# Altium PCB yard-ice.PcbDoc (part 3 of 3)
Units mm, origin at the board's own origin, x right, y up, seen from the top; angles counter-clockwise.
Board outline 109.14 x 69.34 mm, 2 copper layers (Top Layer, Bottom Layer), stack 1.611 mm thick; 175 components, 162 nets, 702 pads, 445 vias.
Unrouted connection lines stored in the file: 1.
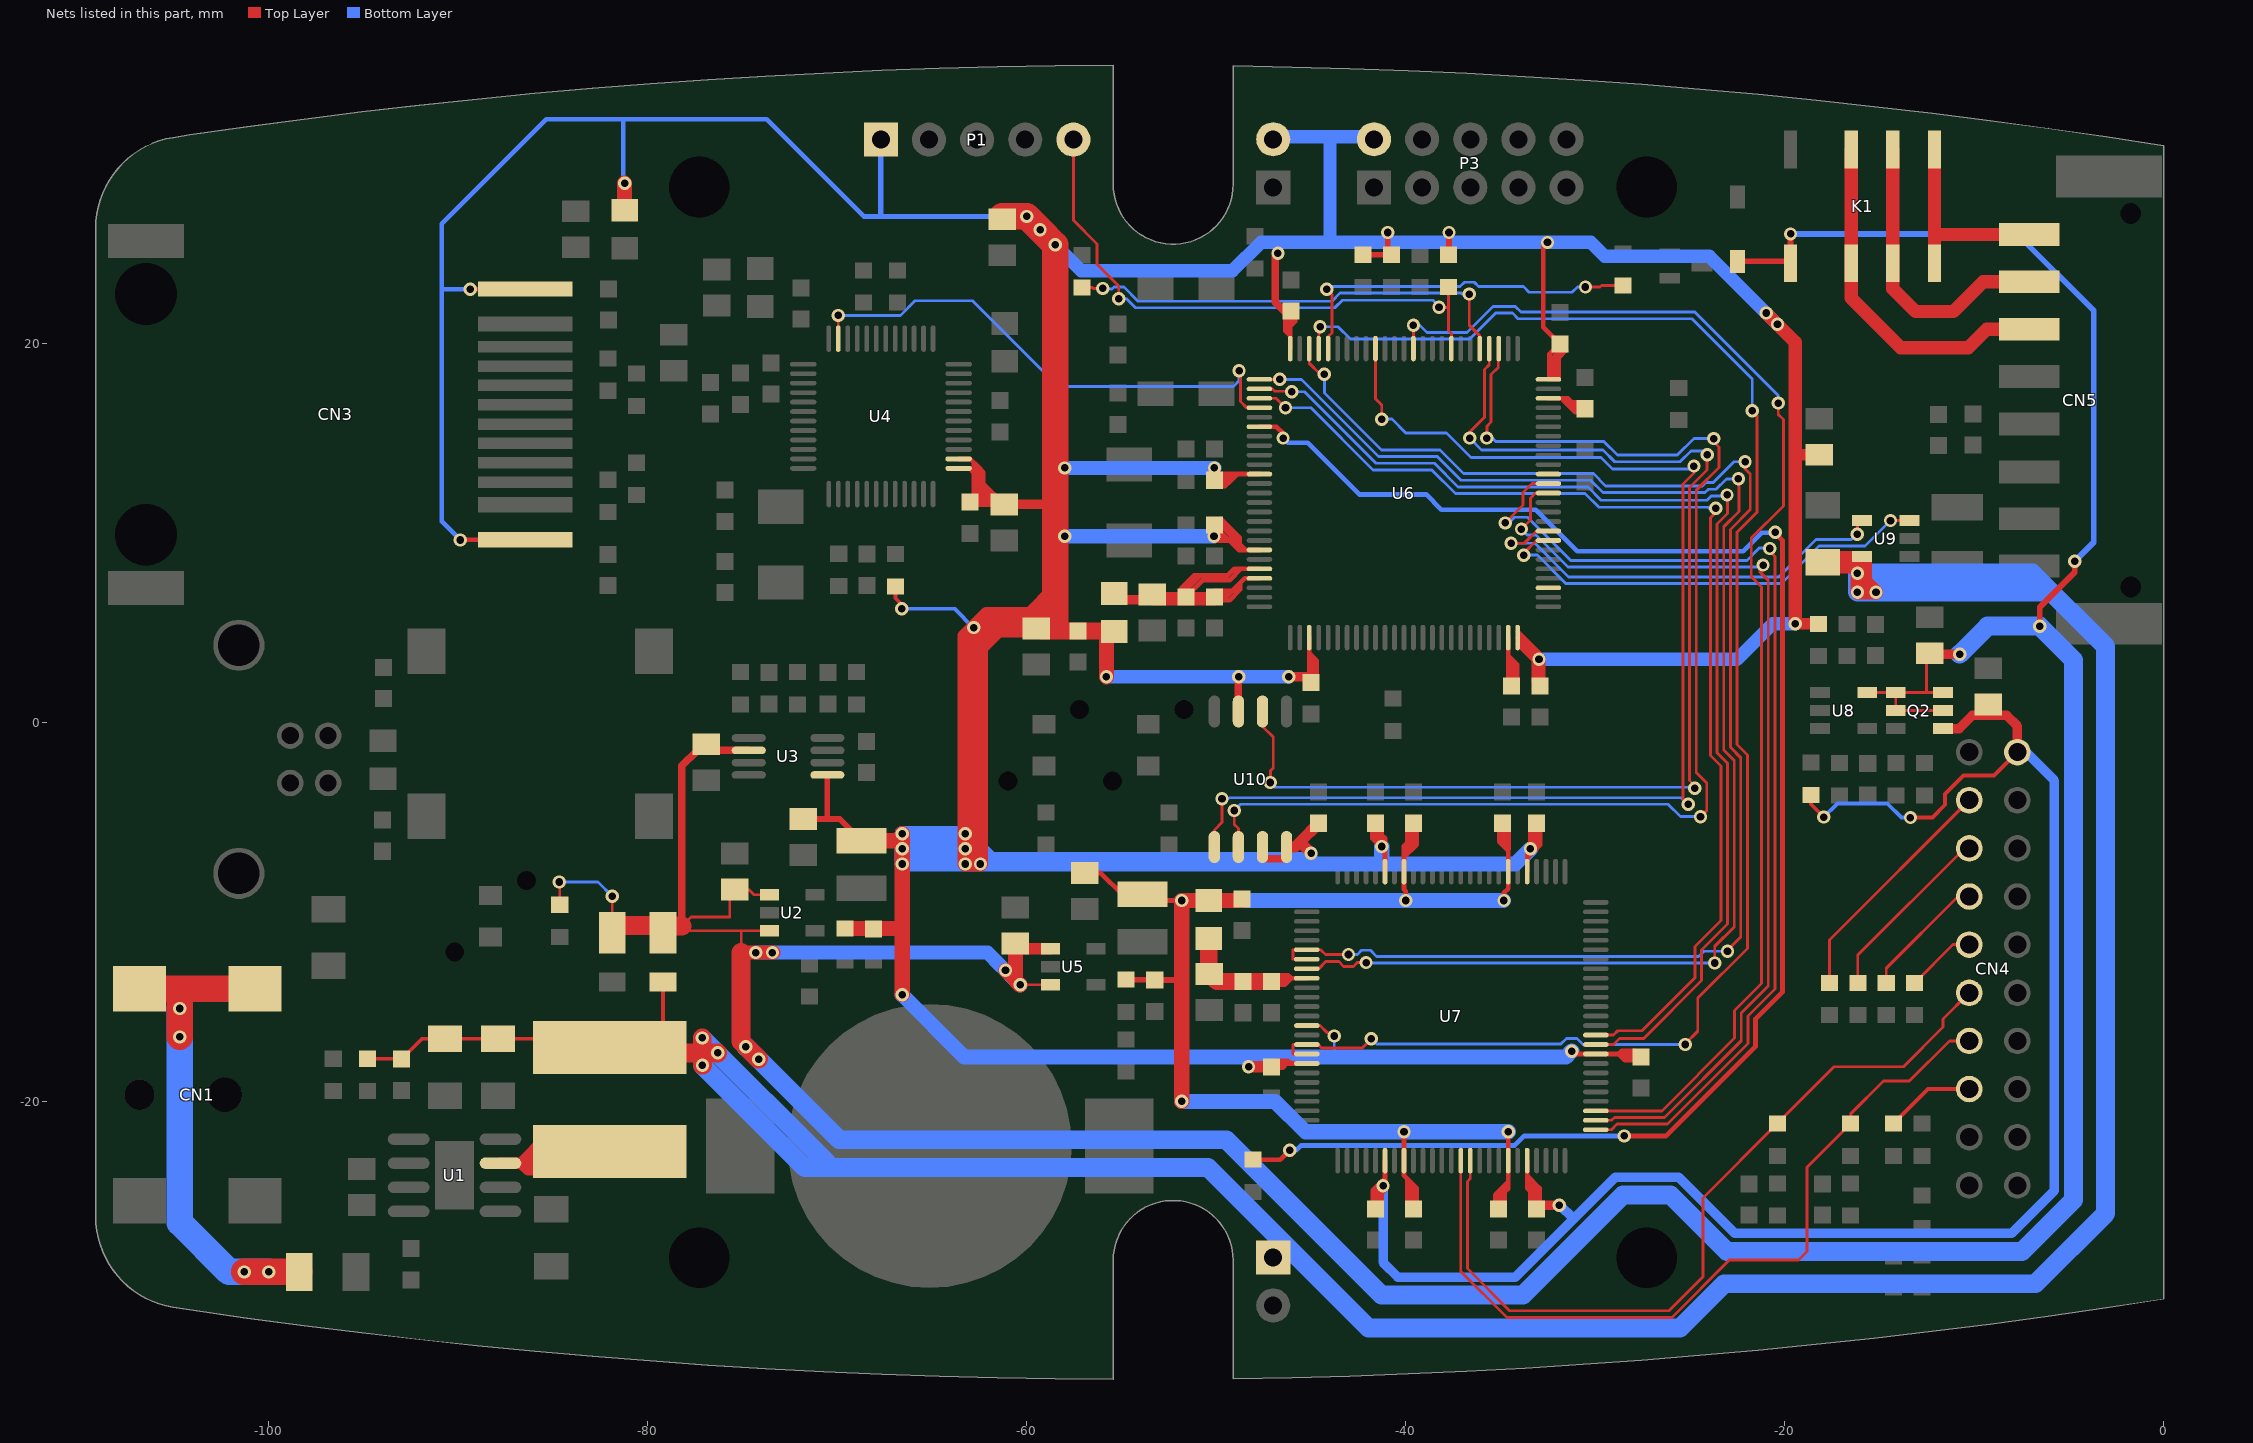
[diagram p3: the nets of this part, all layers, seen from the top]

## Via types
v1: diameter 0.7, hole 0.4, Top Layer to Bottom Layer, 444 vias
v2: diameter 1.8, hole 1.4, Top Layer to Bottom Layer, tented top, 1 vias

## Nets (pads, with @x,y where several pads share a name; then routed paths per layer and width w, separated by ;. In a path a pad name is that pad's centre, name@x,y a point inside that pad or via, vN(x,y) a via of type N, cw(c..) or ccw(c..) an arc to the next point about the centre after c; other vN are vias at no path point) (continued)
PD6: U6.87 U7.53 | length 67.6
  Top Layer w0.15: U6.87@-39.6,19.725 v1(-39.6,20.95) ; U7.53@-29.975,-20.5 -26.491,-20.5 -22.65,-16.659 -22.65,-15.2 -21.225,-13.775 -21.225,7.15 -21.775,7.7 -21.775,9.725 -20.075,11.425 -20.075,15.975 -20.35,16.25 v1(-20.35,16.85)
  Bottom Layer w0.15: v1(-39.6,20.95) -39.253,20.95 -38.878,20.575 -36.775,20.575 -35.4,21.95 -34.23,21.95 -33.93,21.65 -24.755,21.65 -20.35,17.245 v1(-20.35,16.85)
PD11: U6.58 U9.3 | length 24
  Top Layer w0.15: v1(-33.775,8.825) -33.775,8.925 -33.1,9.6 U6.58@-32.475,9.6 ; v1(-14.425,10.65) U9.3@-13.425,10.65
  Bottom Layer w0.15: v1(-33.775,8.825) -33.06,8.825 -31.56,7.325 -20.18,7.325 -18.205,9.3 -15.775,9.3 v1(-14.425,10.65)
PD12: U6.59 U9.4 | length 22.8
  Top Layer w0.15: v1(-34.449,9.45) -33.75,9.45 -33.1,10.1 U6.59@-32.475,10.1 ; v1(-16.175,9.925) U9.4@-16.175,10.575
  Bottom Layer w0.15: v1(-34.449,9.45) -33.19,9.45 -31.415,7.675 -20.325,7.675 -18.35,9.65 -16.475,9.65 v1@-16.175,9.95
PE0: U6.97 U7.16 U7.17 | length 86.1
  Top Layer w0.15: U7.17@-45.225,-17.5 -45.95,-17.5 -45.95,-17 U7.16@-45.225,-17 -44.625,-17 -44.45,-17.175 -42.3,-17.175 v1(-41.825,-16.7) ; U6.97@-44.6,19.725 -44.6,20.5 -44.525,20.575 v1(-44.525,20.875) ; v1(-25.25,-17) -25.25,-16.95 -24.6,-16.3 -24.6,-14.55 -21.975,-11.925 -21.975,-1.72 -22.525,-1.17 -22.525,10.036 -21.475,11.086 -21.475,13.395 -21.475,16.2 v1(-21.725,16.45)
  Bottom Layer w0.15: v1(-44.525,20.875) -43.575,20.875 -42.925,20.225 -36.63,20.225 -35.255,21.6 -34.375,21.6 -34.075,21.3 -24.9,21.3 -21.725,18.125 v1(-21.725,16.45) ; v1(-41.825,-16.7) -41.55,-16.975 -31.83,-16.975 -31.53,-16.675 -30.97,-16.675 -30.645,-17 v1(-25.25,-17)
PE1: U6.98 U7.6 U7.7 | length 78.6
  Top Layer w0.15: U7.7@-45.225,-12.5 -45.95,-12.5 -45.95,-12 U7.6@-45.225,-12 -44.5,-12 -44.249,-12.251 v1(-43.027,-12.251) ; U6.98@-45.1,19.725 -45.1,18.95 -44.525,18.375 v1(-44.3,18.375) ; v1@-23.038,-12.038 -22.325,-11.325 -22.325,-1.865 -22.875,-1.315 -22.875,7.244 -22.875,10.181 -21.825,11.231 -21.825,13.108 -22.1,13.383
  Bottom Layer w0.15: v1(-44.3,18.375) -44.3,17.385 -41.29,14.375 -38.2,14.375 -36.95,13.125 -30.106,13.125 -29.456,12.475 -28.235,12.475 -24.351,12.475 -24.176,12.65 -23.779,12.65 -22.678,13.751 v1(-22.101,13.751) ; v1(-43.027,-12.251) -42.559,-12.251 -42.334,-12.025 -41.866,-12.025 -41.541,-12.35 -24.557,-12.35 ; -24.55,-12.35 -24.275,-12.075 v1(-23.026,-12.076)
PE2: U6.1 U7.8 | length 76.5
  Top Layer w0.15: U6.1@-47.725,18.1 v1(-46.65,18.1) ; U7.8@-45.225,-13 -44.6,-13 -44.225,-12.625 -43.537,-12.625 -43.286,-12.876 -42.768,-12.876 -42.568,-12.675 v1(-42.1,-12.675) ; v1(-23.7,-12.7) -23.7,-11.816 -22.675,-10.791 -22.675,-2.01 -23.225,-1.46 -23.225,7.099 -23.225,10.326 -22.425,11.126 -22.425,12.825 v1(-22.451,12.851)
  Bottom Layer w0.15: v1(-46.65,18.1) -45.51,18.1 -41.435,14.025 -38.345,14.025 -37.095,12.775 -30.251,12.775 -29.601,12.125 -24.206,12.125 -24.031,12.3 -23.634,12.3 -23.083,12.851 v1(-22.451,12.851) ; v1(-42.1,-12.675) -41.961,-12.675 -41.936,-12.7 v1(-23.7,-12.7)
PE3: U6.2 U7.60 | length 60.9
  Top Layer w0.15: U6.2@-47.725,17.6 -47.034,17.6 -46.909,17.475 -46.05,17.475 v1(-46.025,17.45) ; U7.60@-29.975,-17 -29.05,-17 -28.725,-16.675 -27.45,-16.675 -24.4,-13.625 -24.4,-12.021 -23.025,-10.646 -23.025,-2.155 -23.575,-1.605 -23.575,6.954 -23.575,10.471 -23.025,11.021 -23.025,11.975 v1(-23.05,12)
  Bottom Layer w0.15: v1(-46.025,17.45) -45.355,17.45 -41.58,13.675 -38.49,13.675 -37.24,12.425 -30.396,12.425 -29.696,11.724 -24.111,11.724 -23.886,11.95 -23.1,11.95 v1(-23.05,12)
PE4: U6.3 U7.61 | length 58.7
  Top Layer w0.15: U6.3@-47.8,17.1 U6.3@-47.725,17.1 -46.85,17.1 v1(-46.35,16.6) ; U7.61@-29.975,-16.5 -29.045,-16.5 -28.82,-16.275 -27.545,-16.275 -24.75,-13.48 -24.75,-11.825 -23.375,-10.45 -23.375,-2.3 -23.925,-1.75 -23.925,6.809 -23.925,10.8 -23.65,11.075 v1(-23.65,11.3)
  Bottom Layer w0.15: v1(-46.35,16.6) -45,16.6 -41.725,13.325 -38.635,13.325 -37.385,12.075 -30.541,12.075 -29.816,11.35 -24.05,11.35 -24,11.3 v1(-23.65,11.3)
PE5: U4.47 U6.4 | length 28
  Top Layer w0.15: U4.47@-69.95,20.25 v1(-69.95,21.475) ; v1(-48.802,18.551) -48.727,18.476 -48.727,16.927 -48.4,16.6 U6.4@-47.725,16.6
  Bottom Layer w0.15: v1(-69.95,21.475) -66.675,21.475 -65.899,22.251 -62.87,22.251 -58.344,17.725 -49.1,17.725 -48.8,18.025 v1@-48.8,18.55
RLY_C: CN5.7 K1.3 K1.6 | length 15.7
  Top Layer w0.7: K1.6@-14.3,30.225 K1.3@-14.3,24.225 -14.3,22.875 -14.296,22.879 -13.092,21.675 -11.108,21.675 -9.533,23.25 CN5.7@-7.1,23.25
RLY_NC: CN5.6 K1.2 K1.7 | length 18.7
  Top Layer w0.7: K1.7@-16.5,30.225 K1.2@-16.5,24.225 -16.5,22.388 -13.887,19.775 -10.321,19.775 -9.346,20.75 CN5.6@-7.1,20.75
RLY_NO: CN5.8 K1.4 K1.5 | length 12
  Top Layer w0.6: K1.4@-12.1,24.225 -12.1,25.75
  Top Layer w0.7: K1.4@-12.1,24.225 K1.5@-12.1,30.225 ; -12.1,25.75 CN5.8@-7.6,25.75
RST: CN4.15 R41.1 | length 4.8
  Top Layer w0.2: R41.1@-14.275,-21.175 -12.45,-19.35 CN4.15@-10.27,-19.35
RTCK: CN4.11 R33.1 U7.40 | length 42.8
  Top Layer w0.15: U7.40@-36.6,-23.125 -36.6,-24.075 -36.75,-24.225 -36.75,-28.825 -34.526,-31.049 -26.121,-31.049 -24.325,-29.253 -24.325,-25.1 R33.1@-20.4,-21.175 -17.4,-18.175 -13.745,-18.175 -11.65,-16.08 -11.65,-15.77 -11.65,-15.65 CN4.11@-10.27,-14.27
SPI2_MISO: U6.53
SPI2_NSS: R29.2 U6.96 | length 19.5
  Top Layer w0.15: v1(-44.175,22.85) -43.9,22.575 -43.9,20.55 -44.1,20.35 U6.96@-44.1,19.725 ; v1(-30.525,22.975) -29.75,22.975 -29.675,23.05 R29.2@-28.55,23.05
  Bottom Layer w0.15: v1(-44.175,22.85) -44.025,23 -37.137,23 -36.911,23.226 -36.393,23.226 -36.167,23 -35.8,23 -33.795,23 -33.495,22.7 -31.225,22.7 -30.95,22.975 v1(-30.525,22.975)
SPI3_MISO: U6.79 U10.2 | length 63.1
  Top Layer w0.15: U10.2@-47.565,0.575 -47.565,-0.21 -47,-0.775 -47,-2.4 -47.15,-2.55 v1(-47.15,-3.175) ; v1(-36.625,15) -36.625,15.325 -35.85,16.1 -35.85,18.625 -35.6,18.875 U6.79@-35.6,19.725 ; v1@-24.75,-3.45 -24.75,-3.35 -25.025,-3.075 -25.025,12.395 -24.1,13.32 v1(-24.1,14.125)
  Bottom Layer w0.15: v1(-47.15,-3.175) -46.9,-3.425 -24.775,-3.425 v1@-24.75,-3.45 ; v1(-36.625,15) -36,14.375 -29.6,14.375 -28.975,13.75 -25.525,13.75 -24.95,14.325 -24.3,14.325 v1(-24.1,14.125)
  other v1: -24.75,-3.475
SPI3_MOSI: U6.91 U10.5 | length 67.2
  Top Layer w0.15: U10.5@-50.105,-6.575 -50.105,-5.68 -49.7,-5.275 v1(-49.7,-4.025) ; U6.91@-41.6,19.725 -41.6,17.075 -41.275,16.75 v1(-41.275,16) ; v1@-25.1,-4.35 -25.375,-4.075 -25.375,12.575 -24.8,13.15 v1(-24.8,13.525)
  Bottom Layer w0.15: v1(-49.7,-4.025) -49.35,-4.025 -49.3,-3.975 -25.475,-3.975 v1@-25.1,-4.35 ; v1(-41.275,16) -40.734,16 -40.009,15.275 -37.86,15.275 -36.56,13.975 -29.695,13.975 -29.089,13.369 -24.956,13.369 v1(-24.8,13.525)
  other v1: -25.1,-4.325
SPI3_SCK: U6.78 U10.6 | length 65.7
  Top Layer w0.15: v1(-49.052,-4.65) -49.052,-5.383 -48.835,-5.6 U10.6@-48.835,-6.575 ; v1(-35.725,15) -35.725,15.625 -35.5,15.85 -35.5,18.35 -35.125,18.725 -35.125,19.7 U6.78@-35.1,19.725 ; v1(-24.45,-4.975) -24.125,-4.65 -24.125,-3.2 -24.675,-2.65 -24.675,12.25 -23.475,13.45 -23.475,14.525 -23.75,14.8 v1(-23.75,14.975)
  Bottom Layer w0.15: v1@-49.062,-4.662 -48.725,-4.325 -26.159,-4.325 -25.509,-4.975 v1(-24.45,-4.975) ; v1(-35.725,15) -35.434,15 -35.259,14.825 -29.555,14.825 -28.83,14.1 -25.675,14.1 -24.8,14.975 v1(-23.75,14.975)
SW: L2.1 U1.7 | length 6.7
  Top Layer w0.6: U1.7@-87.775,-23.265 U1.7@-86.7,-23.265 ; L2.1@-85.385,-21.95 U1.7@-86.7,-23.265 ; L2.1@-85.1,-23.625 -86.325,-23.625 U1.7@-86.685,-23.265 ; L2.1@-84.775,-23.025 -86.225,-23.025 -86.465,-23.265 U1.7@-86.685,-23.265 ; U1.7@-86.7,-23.265 U1.7@-86.685,-23.265
TCK: CN4.9 R43.1 | length 3.7
  Top Layer w0.15: R43.1@-13.15,-13.75 -11.13,-11.73 CN4.9@-10.27,-11.73
TDI: CN4.5 R38.1 | length 9.7
  Top Layer w0.15: R38.1@-16.15,-13.75 -16.15,-12.275 -10.525,-6.65 CN4.5@-10.27,-6.65
TDO: CN4.13 R36.1 U7.39 | length 42.7
  Top Layer w0.15: U7.39@-37.1,-23.125 -37.1,-28.97 -34.671,-31.399 -25.959,-31.399 -22.935,-28.375 -19.275,-28.375 -18.825,-27.925 -18.825,-23.475 R36.1@-16.525,-21.175 ; R36.1@-16.525,-21.2 -16.525,-20.65 -14.8,-18.925 -13.434,-18.925 -11.319,-16.81 CN4.13@-10.27,-16.81
TMS: CN4.7 R42.1 | length 6.7
  Top Layer w0.15: R42.1@-14.65,-13.75 -14.65,-12.975 -10.865,-9.19 CN4.7@-10.27,-9.19
TRST: CN4.3 R37.1 | length 12.7
  Top Layer w0.15: R37.1@-17.65,-13.75 -17.65,-11.49 CN4.3@-10.27,-4.11
USART5_RX: P1.5 R27.1 U6.83 | length 30.7
  Top Layer w0.15: P1.5@-57.545,30.75 -57.545,26.495 -56.3,25.25 -56.3,24.175 -55.15,23.025 v1(-55.15,22.35) ; v1(-38.25,21.9) -37.75,21.9 ; R27.1@-37.75,22.975 -37.75,21.9 ; U6.83@-37.6,19.725 -37.6,20.525 -37.75,20.675 -37.75,21.9
  Bottom Layer w0.15: v1(-55.15,22.35) -54.75,22.35 -54.275,21.875 -43.75,21.875 -43.35,22.275 -38.575,22.275 -38.25,21.95 v1(-38.25,21.9)
USART5_TX: R16.1 U6.80 | length 23.8
  Top Layer w0.15: R16.1@-56.8,22.95 -56.55,22.95 -56.5,22.9 v1(-56,22.9) ; v1(-36.652,22.601) -36.652,20.952 -36.1,20.4 U6.80@-36.1,19.725
  Bottom Layer w0.15: v1(-56,22.9) -55.975,22.875 -55.509,22.875 -55.409,22.975 -54.88,22.975 -54.13,22.225 -43.895,22.225 -43.47,22.65 -37.075,22.65 -37.026,22.601 v1(-36.652,22.601)
USART6_CK: U6.65
USART6_RX: U6.64 U7.51 | length 55.5
  Top Layer w0.15: v1@-34.777,10.526 -33.825,11.477 -33.825,12.125 -33.35,12.6 U6.64@-32.475,12.6 ; U7.51@-29.975,-21.5 -29.15,-21.5 -28.85,-21.2 -26.202,-21.2 -21.95,-16.948 -21.95,-15.49 -20.525,-14.065 -20.525,8.75 v1@-20.975,9.2
  Bottom Layer w0.15: v1@-34.775,10.526 -34.561,10.526 -34.261,10.825 -33.575,10.825 -31.3,8.55 -22,8.55 -21.35,9.2 v1@-20.975,9.2
  other v1: -20.8,9.175 -34.75,10.525
USART6_TX: U6.63 U7.52 | length 51.6
  Top Layer w0.15: v1(-33.9,10.2) -33.425,10.675 -33.425,11.825 -33.15,12.1 U6.63@-32.475,12.1 ; U7.52@-29.975,-21 -29.145,-21 -28.995,-20.85 -26.346,-20.85 -22.3,-16.804 -22.3,-15.345 -20.875,-13.92 -20.875,7.5 -21.325,7.95 v1@-21.325,8.3
  Bottom Layer w0.15: v1@-33.9,10.199 -33.591,9.89 -33.135,9.89 -31.445,8.2 -21.425,8.2 v1@-21.325,8.3
  other v1: -21.15,8.3
VBAT: R21.2 U6.6 | length 87.4
  Top Layer w0.25: R21.2@-48.075,-23.075 -46.625,-23.075 v1(-46.125,-22.575) ; U6.6@-47.725,15.6 -46.827,15.6 -46.477,15.25 v1(-46.477,15.001) ; v1(-28.475,-21.825) -26.261,-21.825 -21.55,-17.114 -21.55,-15.656 -20.125,-14.231 -20.125,9.6 -20.525,10 -20.501,10.024 v1(-20.501,10.025)
  Bottom Layer w0.25: v1(-46.477,15.001) -46.227,14.75 -45.541,14.75 -45.178,14.75 -42.453,12.025 -38.925,12.025 -38.125,11.225 -33.15,11.225 -30.95,9.025 -22.2,9.025 -21.225,10 -20.525,10 -20.501,10.024 v1(-20.501,10.025) ; v1(-46.125,-22.575) -45.775,-22.575 -45.525,-22.325 -34.25,-22.325 -33.75,-21.825 v1(-28.475,-21.825)
VCAP_1: C60.1 U6.49 | length 5
  Top Layer w0.25: C60.1@-34.6,2.175 -34.6,3.325 ; U6.49@-34.6,4.475 -34.6,3.525 ; C60.1@-34.375,2.225 -34.375,3.1 -34.6,3.325 ; C60.1@-34.125,2.225 -34.125,3.05 -34.6,3.525 ; -34.6,3.325 -34.6,3.525
VCAP_2: C65.1 U6.73 | length 4.2
  Top Layer w0.25: U6.73@-32.475,17.1 -31.789,17.1 ; -31.2,16.85 -31.225,16.875 ; C65.1@-30.725,16.375 -31.064,16.375 -31.314,16.625 ; C65.1@-30.7,16.625 -31.314,16.625 ; C65.1@-30.675,16.875 -31.225,16.875 ; -31.789,17.1 -31.45,17.1 -31.225,16.875 ; -31.789,17.1 -31.564,16.875 ; -31.564,16.875 -31.225,16.875 ; -31.564,16.875 -31.314,16.625
VCC_1.5: C35.1 C43.1 C46.1 C56.1 C57.1 C58.1 C59.1 L7.2 L9.1 R18.2 U7.33 U7.44 U7.82 U7.93 | length 88
  Top Layer w0.2: C43.1@-53.3,-13.575 C43.1@-53.275,-13.6
  Top Layer w0.25: C35.1@-56.95,-7.95 -56.1,-7.95 -54.975,-9.075 L7.2@-53.9,-9.075 ; L7.2@-54.65,-9.4 v1@-52.15,-9.4 ; v1(-40.1,-21.6) U7.33@-40.1,-23.125 -40.1,-23.9 -39.925,-24.075 ; -40.1,-6.825 -39.675,-6.4 -39.675,-5.4 C57.1@-39.6,-5.325 ; v1(-40,-9.4) -40,-8.9 -40.1,-8.8 U7.93@-40.1,-7.875 -40.1,-7.125 ; C56.1@-39.925,-25.65 -39.925,-24.35 ; C56.1@-39.675,-25.625 -39.675,-24.6 -39.925,-24.35 ; C56.1@-39.425,-25.525 -39.425,-24.575 -39.925,-24.075 ; C58.1@-35.275,-25.7 -35.275,-24.925 -35.025,-24.675 ; C58.1@-35.025,-25.7 -35.025,-24.675 ; v1(-34.825,-9.4) -34.825,-9 -34.6,-8.775 U7.82@-34.6,-7.875 -34.6,-6.725 ; C58.1@-34.775,-25.85 -34.775,-24.425 -34.6,-24.25 ; -34.75,-24.75 -34.6,-24.6 -34.6,-24.25 ; v1(-34.6,-21.6) U7.44@-34.6,-23.125 -34.6,-24.25 ; -40.1,-7.125 -40.1,-6.525 -39.925,-6.35 -39.925,-5.65 C57.1@-39.6,-5.325 ; -40.1,-7.125 -39.425,-6.45 -39.425,-5.5 C57.1@-39.6,-5.325 ; -39.925,-24.35 -39.925,-24.075 ; -35.025,-24.675 -34.6,-24.25 ; C59.1@-34.9,-5.325 -34.575,-5.325 -34.575,-6.7 -34.6,-6.725 ; C59.1@-34.9,-5.325 -34.825,-5.325 -34.825,-6.55 ; C59.1@-34.9,-5.325 -35.075,-5.325 -35.075,-6.3 -34.825,-6.55 ; -34.825,-6.55 -34.65,-6.725 -34.6,-6.725
  Top Layer w0.3: R18.2@-54.775,-13.575 C43.1@-53.3,-13.575 ; C43.1@-53.25,-13.6 -52.025,-13.6
  Top Layer w0.8: v1(-51.825,-20) v1(-51.825,-9.4) C46.1@-48.65,-9.4
  Bottom Layer w0.8: v1(-51.825,-20) -46.9,-20 -45.3,-21.6 v1(-40.1,-21.6) v1(-34.6,-21.6) ; v1(-51.825,-9.4) v1(-40,-9.4) v1@-34.85,-9.4
VCC_3.3: C21.1 C26.1 C30.1 C31.1 C32.1 C33.1 C36.1 C38.1 C40.1 C49.1 C52.1 C53.1 C55.1 C62.1 C63.1 C64.1 C66.1 C71.1 C79.1 CN3.1 CN3.12 L3.1 L5.2 L8.1 P1.1 P2.2 P3.2 R11.2 R23.2 R25.2 R27.2 R31.2 R48.2 U3.1 U4.25 U4.26 U6.11 U6.19 U6.28 U6.50 U6.75 U6.100 U7.14 U7.18 U7.59 U7.80 U7.95 U10.3 U10.7 U10.8 | length 476.1
  Top Layer w0.15: U7.14@-45.225,-16 -44.525,-16 -44.15,-16.375 -43.775,-16.375 v1(-43.775,-16.55)
  Top Layer w0.2: R48.2@-66.925,7.175 -66.925,6.55 -66.6,6.225 v1(-66.6,6)
  Top Layer w0.25: v1(-89.9,9.625) -89.885,9.64 CN3.1@-86.475,9.64 ; v1(-89.375,22.85) -89.365,22.86 CN3.12@-86.475,22.86 ; v1@-81.3,28.475 v1@-81.225,28.4 ; U4.25@-63.6,13.4 -63.025,13.4 -62.8,13.175 ; U4.26@-63.6,13.9 -63,13.9 -62.55,13.45 ; C31.1@-63,11.5 C30.1@-61.875,11.5 ; C31.1@-62.8,11.825 -62.8,13.175 ; -62.8,13.7 -62.8,13.175 ; -62.55,11.625 -62.55,13.45 ; -62.3,11.5 -62.3,13.2 -62.55,13.45 ; -62.3,11.925 C30.1@-61.875,11.5 ; -62.3,12.25 C30.1@-61.55,11.5 ; -62.3,12.6 C30.1@-61.2,11.5 C30.1@-61.55,11.5 ; v1@-50.109,9.813 -50.1,9.797 C38.1@-50.1,10.375 ; v1@-50.109,13.413 -50.1,13.404 C40.1@-50.1,12.775 ; v1@-50.075,9.6 -49.325,9.6 ; C38.1@-50.075,10.45 -49.825,10.45 -48.775,9.4 ; C40.1@-50.075,12.475 -49.525,12.475 -49.275,12.725 ; v1@-50.025,9.8 -49.525,9.8 ; C40.1@-49.7,13.1 -48.9,13.1 ; -49.1,12.925 -49.95,12.925 C40.1@-50.1,12.775 ; U6.19@-47.725,9.1 -48.475,9.1 ; U6.11@-47.725,13.1 -48.9,13.1 ; C49.1@-46.925,-18 -46.275,-18 ; C49.1@-46.775,-17.85 -46.225,-17.85 -46.075,-18 ; C49.1@-46.725,-18.225 -46.5,-18.225 -46.275,-18 ; C53.1@-46.35,21.4 -46.35,20.65 U6.100@-46.1,20.4 ; U6.100@-46.1,19.725 U6.100@-46.1,20.4 ; -46.1,20.9 -45.85,21.15 C53.1@-45.85,21.7 ; C53.1@-46.1,21.575 U6.100@-46.1,20.4 ; U7.18@-45.225,-18 -46.075,-18 ; C52.1@-45.1,2.5 -45.1,3.65 ; U6.28@-45.1,4.475 -45.1,3.65 ; C52.1@-44.875,2.525 -44.875,3.425 ; C52.1@-44.7,2.4 -44.7,3.25 -44.875,3.425 ; C55.1@-41.775,-5.425 -41.775,-6.125 v1@-41.1,-6.8 ; v1@-41.525,-6.325 C55.1@-41.525,-5.675 ; v1(-41.275,-6.55) C55.1@-41.275,-5.65 ; -41.275,-5.95 -41.1,-6.125 v1@-41.1,-6.8 ; U7.95@-41.1,-7.875 v1@-41.1,-6.8 ; U6.50@-34.1,4.125 -33.25,3.275 C63.1@-33.25,2.15 ; U6.50@-34.1,4.45 -33,3.35 C63.1@-33,2.225 ; U6.50@-34.1,4.775 -32.75,3.425 C63.1@-32.75,2.1 ; U7.80@-33.6,-7.875 -33.6,-7.15 ; v1@-33.4,-6.65 -33.175,-6.425 -33.175,-5.325 C62.1@-33.1,-5.325 ; v1(-32.525,25.325) -32.54,25.34 -32.635,25.34 -32.75,25.225 -32.75,20.85 C64.1@-31.875,19.975 -32.4,19.45 -32.425,19.45 -32.425,18.15 U6.75@-32.475,18.1 U6.75@-32.175,18.1 ; C64.1@-31.75,19.75 -32.175,19.325 U6.75@-32.175,18.1 ; C64.1@-31.55,19.625 -31.925,19.25 -31.925,18.1 U6.75@-32.175,18.1 ; v1(-31.25,-17.35) -31.1,-17.5 U7.59@-29.975,-17.5 -28.775,-17.5 ; C66.1@-27.9,-17.325 -28.6,-17.325 -28.775,-17.5 ; C66.1@-27.775,-17.825 -28.45,-17.825 -28.7,-17.575 ; C66.1@-27.775,-17.575 -28.7,-17.575 ; C30.1@-61.875,11.5 C30.1@-61.55,11.5 ; C38.1@-50.1,10.375 -49.525,9.8 ; C38.1@-50.1,10.375 C38.1@-50.1,10.425 -49.775,10.75 -48.775,9.75 -48.775,9.4 ; C40.1@-50.1,12.775 -50.05,12.725 -49.275,12.725 ; -49.525,9.8 -49.325,9.6 ; -49.325,9.6 -48.825,9.1 -48.475,9.1 ; -49.275,12.725 -48.9,13.1 ; -48.775,9.4 -48.475,9.1 ; -46.275,-18 -46.075,-18 ; -45.1,3.65 -44.875,3.425 ; -33.6,-7.15 -32.925,-6.475 -32.925,-5.325 C62.1@-33.1,-5.325 ; -33.6,-7.15 -33.6,-6.55 -33.425,-6.375 -33.425,-5.325 C62.1@-33.1,-5.325 ; -28.775,-17.5 -28.7,-17.575
  Top Layer w0.3: C21.1@-71.8,-5.1 -70.55,-5.1 ; U3.1@-70.525,-2.775 -70.525,-5.075 -70.55,-5.1 ; L5.2@-68.725,-6.25 -69.875,-5.1 -70.55,-5.1 ; R23.2@-42.25,24.675 R25.2@-40.75,24.675 ; R25.2@-40.95,24.675 v1(-40.95,25.85) ; R27.2@-37.725,24.675 v1(-37.725,25.85)
  Top Layer w0.4: U10.3@-48.835,0.575 v1@-48.835,2.435 ; U10.7@-47.565,-6.575 -47.565,-7.01 -47.375,-7.2 -46.5,-7.2 -46.295,-6.995 U10.8@-46.295,-6.575 ; v1(-46.75,24.75) -46.9,24.6 -46.9,22.175 -46.425,21.7 C53.1@-46.1,21.7
  Top Layer w0.5: C30.1@-61.2,11.5 -58.2,11.5 ; v1(-46.175,2.4) -45,2.4 C52.1@-45,2.1
  Top Layer w0.6: v1(-48.3,-18.175) C49.1@-47.1,-18.175 ; U10.8@-46.295,-6.575 -45.85,-6.575 -45.587,-6.312 ; v1(-45,-6.9) -45.587,-6.312 ; C79.1@-44.6,-5.325 -45.587,-6.312 ; v1(-19.45,5.2) R31.2@-18.225,5.2 ; -19.45,14.125 C71.1@-18.175,14.125
  Top Layer w0.7: v1(-20.981,21.6) -19.45,20.069 -19.45,14.125 ; v1(-19.45,5.2) -19.45,14.101
  Top Layer w0.8: L3.1@-81.225,27.075 v1(-81.225,28.45) ; R11.2@-69.6,-10.875 -66.6,-10.875 -66.575,-10.9 ; L5.2@-68.725,-6.25 -66.575,-6.25 ; v1@-66.575,-14.362 -66.575,-10.9 ; v1(-66.575,-5.875) -66.575,-6.25 ; -59.85,5.675 -58.55,6.975 ; C33.1@-59.175,4.875 -61.525,4.875 -62.45,3.95 v1(-62.45,-7.475) v1(-63.25,-7.475) v1(-63.25,-6.675) v1(-63.25,-5.875) -63.25,3.55 ; -58.9,5.675 -61.125,5.675 ; v1(-55.8,2.4) L8.1@-55.8,4.75 ; -66.575,-10.9 v1(-66.575,-7.475) v1(-66.575,-6.675) -66.575,-6.25 ; -63.25,3.55 -63.25,4.55 -62.125,5.675 -61.125,5.675 ; -63.25,3.55 -61.125,5.675
  Top Layer w0.9: C33.1@-59.175,4.825 L8.1@-55.3,4.825
  Top Layer w1.4: C32.1@-61.3,26.7 v1(-60,26.7) v1(-59.3,26) v1(-58.5,25.2) -58.5,5.1
  Bottom Layer w0.15: -43.775,-17.65 v1@-43.775,-16.375
  Bottom Layer w0.2: v1(-66.6,6) -63.825,6 v1@-62.813,4.988
  Bottom Layer w0.25: -90.8,22.85 v1(-89.375,22.85) ; v1(-89.9,9.625) -90.875,10.6 -90.875,11.78 -90.875,26.3 -85.35,31.825 -81.3,31.825 ; v1@-81.3,28.475 -81.3,31.825 ; v1(-60,26.7) -67.7,26.7 -68.6,26.7 -73.725,31.825 -81.3,31.825
  Bottom Layer w0.3: P1.1@-67.705,30.75 -67.705,26.705 -67.7,26.7
  Bottom Layer w0.6: -61.85,-7.15 v1@-45.05,-7.15 ; v1(-48.3,-18.175) -48.275,-18.15 -48.275,-17.65
  Bottom Layer w0.7: v1(-60,26.7) v1(-59.3,26) v1(-58.5,25.2) -57.125,23.825 -49.15,23.825 -47.635,25.34 -44,25.34 ; v1(-55.8,2.4) v1(-46.175,2.4) ; P2.2@-47.1,30.9 P3.2@-41.6,30.9 ; -45,-7.475 v1(-45,-6.9) ; -44,30.9 -44,25.34 ; v1@-33,3.325 -22.525,3.325 -20.65,5.2 v1(-19.45,5.2) ; v1@-20.391,21.01 -23.981,24.6 -29.5,24.6 -30.24,25.34 -44,25.34
  Bottom Layer w0.75: v1(-58,9.825) v1(-50.125,9.825) ; v1@-57.969,13.425 v1(-50.1,13.425)
  Bottom Layer w0.8: v1(-66.575,-14.375) -63.3,-17.65 -48.275,-17.65 -43.775,-17.65 -31.55,-17.65 v1(-31.25,-17.35) ; -41.275,-7.475 v1(-41.275,-6.55) ; v1@-33.4,-6.65 -34.225,-7.475 -45,-7.475 -61.65,-7.475 ; v1(-66.575,-6.675) v1(-66.575,-7.475) v1(-63.25,-7.475) v1(-62.45,-7.475) ; v1(-66.575,-6.675) v1(-63.25,-6.675) v1(-62.45,-7.475) ; v1(-66.575,-6.675) v1(-66.575,-5.875) v1(-63.25,-5.875) -61.65,-7.475 ; v1(-62.45,-7.475) -61.65,-7.475
  other v1: -33.427,-6.675 -48.825,2.4 -32.975,3.325 -62.8,5 -58,13.425 -20.389,21.008
VCC_4.7: C13.1 C14.1 C29.1 C74.1 D2.2 D3.2 D6.2 K1.1 Q2.1 Q2.2 Q2.5 Q2.6 R3.2 U2.1 U2.3 U3.6 U5.1 U5.3 U8.5 | length 230.7
  Top Layer w0.15: v1(-84.675,-8.425) -84.65,-8.45 R3.2@-84.65,-9.625 ; D2.2@-81.875,-11.1 -81.775,-10.5 -81.875,-10.4 v1(-81.875,-9.175) ; -75.075,-12.15 -75.075,-11 ; U2.3@-73.55,-11 -75.075,-11 ; U2.1@-73.55,-9.1 -74.4,-9.1 -74.65,-8.85 -75.65,-8.85 -75.675,-8.825 -75.675,-10.275 -77.725,-10.275 -78.2,-10.75 -77.95,-11 -75.075,-11 ; v1@-60.375,-13.85 U5.3@-58.75,-13.85 ; U8.5@-15.65,1.575 Q2.1@-14.15,1.575 ; C74.1@-12.35,3.65 -12.4,3.6 -12.525,3.475 -12.525,1.575 ; Q2.5@-11.65,0.625 Q2.2@-14.15,0.625 Q2.1@-14.15,1.575 ; Q2.6@-11.65,1.575 -12.525,1.575 ; Q2.1@-14.15,1.575 -12.525,1.575
  Top Layer w0.3: D6.2@-22.5,24.325 -19.8,24.325 K1.1@-19.7,24.225 v1(-19.7,25.775) ; v1(-6.55,5.075) -6.55,6.075 -4.7,7.925 v1(-4.7,8.5)
  Top Layer w0.4: -78.2,-10.75 -78.2,-2.3 -77.375,-1.475 U3.6@-74.675,-1.475
  Top Layer w0.5: C74.1@-12.4,3.6 v1(-10.775,3.6)
  Top Layer w0.6: C29.1@-60.6,-11.95 U5.1@-58.75,-11.95
  Top Layer w0.75: -75.075,-12.15 v1(-74.3,-12.15) v1(-73.425,-12.15) v1@-73.375,-12.15 ; v1(-61.125,-13.075) -61.125,-13.1 v1@-60.6,-13.625
  Top Layer w0.8: C29.1@-60.6,-11.675 -60.6,-13.625 v1@-60.375,-13.85
  Top Layer w1: D2.2@-81.825,-10.725 -79.225,-10.725 -79.2,-10.75 -78.2,-10.75 ; -75.075,-12.15 -75.075,-16.85 v1(-74.15,-17.775)
  Bottom Layer w0.15: v1(-84.675,-8.425) -82.625,-8.425 v1(-81.875,-9.175)
  Bottom Layer w0.3: v1(-19.7,25.775) -7.75,25.775 -3.7,21.725 -3.7,9.5 v1(-4.7,8.5)
  Bottom Layer w0.75: v1(-74.3,-12.15) v1(-73.425,-12.15) -62.075,-12.15 v1@-61.375,-12.85 ; -61.5,-12.725 -60.35,-13.875 v1(-60.35,-13.85)
  Bottom Layer w1: v1(-74.83,-17.12) -74.805,-17.12 v1(-74.15,-17.775) -69.9,-22.025 -49.475,-22.025 -41.275,-30.225 -33.825,-30.225 -28.55,-24.95 -26.025,-24.95 -23.05,-27.925 -7.488,-27.925 -4.775,-25.212 -4.775,3.3 v1(-6.55,5.075) -9.3,5.075 v1(-10.775,3.6)
VCC_5V: C4.1 C7.1 C8.1 C70.1 D3.1 L2.2 P4.1 R1.2 U9.5 | length 188.4
  Top Layer w0.2: R1.2@-94.8,-17.75 -93.025,-17.75 C4.1@-93,-17.775 -91.925,-16.7 C7.1@-90.7,-16.7 C8.1@-87.9,-16.7 -82.45,-16.7 L2.2@-82,-17.15 -77.13,-17.15 -77.075,-17.15 -77.05,-17.125 ; L2.2@-81.95,-17.2 L2.2@-79.2,-17.2 ; L2.2@-79.2,-16.4 D3.1@-79.2,-13.35
  Top Layer w0.6: v1@-16.17,8.15 -17.5,8.15 -17.975,8.625 -17.85,8.75 U9.5@-15.925,8.75
  Top Layer w0.75: v1@-16.17,8.15 v1(-16.17,7.87) v1(-16.17,6.87) v1(-15.19,6.87) -15.77,7.45 U9.5@-15.77,8.48
  Top Layer w1: L2.2@-82,-17.15 -81.71,-17.44 -77.13,-17.44 ; v1(-77.13,-16.65) -77.13,-17.15 -77.13,-17.44 ; v1(-77.12,-18.09) -77.13,-18.08 -77.13,-17.44 ; v1(-76.31,-17.44) -77.13,-17.44
  Bottom Layer w1: -70.545,-23.25 -77.12,-16.675 v1(-77.12,-18.09) -71.71,-23.5 -50.438,-23.5 -41.97,-31.968 -25.543,-31.968 -23.2,-29.625 -6.784,-29.625 -3.075,-25.916 -3.075,4.004 -6.946,7.875 ; -6.97,7.87 v1(-16.17,7.87) v1(-16.17,6.87) v1(-15.19,6.87) -6,6.87
VCC_IO: C54.1 C61.1 C77.1 CN4.2 Q2.4 R34.1 U7.31 U7.46 | length 102.7
  Top Layer w0.2: R34.1@-18.625,-3.825 -18.625,-4.325 v1(-17.95,-5) ; v1(-13.375,-5.025) -12.2,-5.025 -12.213,-5.012 -11.55,-4.35 -11.55,-3.775 -10.575,-2.8 -8.96,-2.8 CN4.2@-7.73,-1.57
  Top Layer w0.25: C54.1@-41.6,-25.675 -41.75,-25.525 -41.75,-24.7 -41.1,-24.05 ; C54.1@-41.5,-25.675 -41.5,-24.75 v1(-41.2,-24.45) ; C54.1@-41.275,-25.675 -41.275,-24.85 -41.1,-24.675 -41.1,-24.05 ; U7.31@-41.1,-23.125 -41.1,-24.05 ; U7.46@-33.6,-23.125 -33.6,-23.925 ; -33.5,-24.375 -33.6,-24.275 ; -33.45,-24.425 -33.175,-24.7 C61.1@-33.175,-25.55 ; C61.1@-33.425,-25.525 -33.425,-24.75 -33.6,-24.575 -33.6,-24.275 ; C61.1@-33.075,-25.525 -32.95,-25.4 -32.95,-24.575 -33.6,-23.925 ; -33.6,-24.275 -33.6,-23.925
  Top Layer w0.5: C61.1@-33.1,-25.675 -32.9,-25.475 v1(-31.9,-25.475) ; Q2.4@-11.65,-0.325 -10.8,-0.325 -10.1,0.375 -8.3,0.375 -7.73,-0.195 CN4.2@-7.73,-1.57
  Bottom Layer w0.2: v1(-17.95,-5) -17.225,-4.275 ; -16.725,-4.275 -17.225,-4.275 ; v1(-13.375,-5.025) -13.85,-5.025 -14.6,-4.275 -17.225,-4.275
  Bottom Layer w0.5: v1(-41.2,-24.45) -41.2,-28.5 -40.425,-29.275 -34.219,-29.275 -28.944,-24 -25.606,-24 -22.657,-26.95 -8.022,-26.95 -5.775,-24.703 -5.775,-3.075 -7.28,-1.57 CN4.2@-7.73,-1.57 ; v1@-31.887,-25.462 -31.162,-26.187
VCC_PLL: C45.1 C50.1 C51.1 L9.2 U7.9 | length 9
  Top Layer w0.25: C51.1@-47.025,-13.6 -46.15,-13.6 ; C51.1@-46.975,-13.35 -46.2,-13.35 -46.05,-13.5 ; C51.1@-46.925,-13.85 -46.4,-13.85 -46.15,-13.6 ; U7.9@-45.225,-13.5 -46.05,-13.5 ; -46.15,-13.6 -46.05,-13.5
  Top Layer w0.9: L9.2@-50.4,-11.4 -50.4,-13.25 -49.975,-13.675 C50.1@-48.6,-13.675 C51.1@-47.1,-13.675
VDDA: C44.1 C47.1 C48.1 L8.2 U6.21 U6.22 | length 25.3
  Top Layer w0.25: C44.1@-53.625,6.55 -53.375,6.3 -50.1,6.3 C48.1@-50.1,6.45 ; C47.1@-51.85,6.85 -51.85,7.075 -51.175,7.75 -50.825,7.75 ; C47.1@-51.6,6.625 -51.925,6.625 -51.925,6.65 -50.825,7.75 ; C47.1@-51.6,6.9 -51.325,6.9 -50.725,7.5 -49.3,7.5 -48.7,8.1 ; U6.22@-47.725,7.6 -48.5,7.6 -48.738,7.363 ; U6.21@-47.725,8.1 -48.7,8.1 ; -50.825,7.75 -49.4,7.75 -49.05,8.1 -48.7,8.1 ; C48.1@-50.1,6.45 -49.3,6.45 -48.738,7.012 -48.738,7.363 ; C48.1@-50.1,6.45 C48.1@-50.1,6.625 C48.1@-50.1,6.7 ; C48.1@-50.1,6.7 -49.4,6.7 -49.15,6.95 ; C48.1@-50.1,6.7 -50.1,6.95 -49.15,6.95 ; -49.15,6.95 -48.738,7.363
  Top Layer w0.5: L8.2@-55.4,6.8 -55.075,6.475 -53.65,6.475 C44.1@-53.375,6.75 -53.25,6.625 C47.1@-51.925,6.625 ; C47.1@-51.6,6.625 C48.1@-50.1,6.625
VIN: CN1.1 F1.1 | length 28.6
  Top Layer w1.4: CN1.1@-106.825,-14.05 -104.7,-14.05 ; v1(-104.7,-16.6) v1(-104.7,-15.1) -104.7,-14.05 ; v1(-101.3,-29) v1(-100,-29) F1.1@-98.4,-29 ; CN1.1@-100.725,-14.05 -104.7,-14.05
  Bottom Layer w1.4: v1(-104.7,-15.1) v1(-104.7,-16.6) -104.7,-26.4 -102.1,-29 v1(-100,-29)
pads on no net: CN1.0 CN3.0 CN3.9 CN5.0 CN5.10 D1.0 D4.0 D5.0 H1.0 H2.0 H3.0 H4.0 P1.2 SPK1.0 U4.32 U4.44 U4.45 U4.46 U4.48 U6.5 U6.7 U6.60 U7.1 U7.2 U7.3 U7.4 U7.12 U7.20 U7.21 U7.22 U7.23 U7.24 U7.25 U7.26 U7.27 U7.28 U7.29 U7.34 U7.35 U7.41 U7.42 U7.54 U7.55 U7.56 U7.57 U7.62 U7.63 U7.64 U7.65 U7.67 U7.73 U7.74 U7.97 U7.98

## Polygon pours and split planes (outlines as drawn)
VCC_3.3 on Bottom Layer "Bottom-Layer-VCC_3.3" (solid, pour order 21): -108.138,22 -89.65,22 -89.607,22.107 -87.107,24.607 -87,24.652 -76.563,24.652 -75.107,26.107 -75,26.152 -60.35,26.152 -56.625,22.425 -49.075,22.425 -47.15,24.35 -31.325,24.35 -30.6,23.65 -24.003,23.652 -24.002,23.652 -23.893,23.607 -20.937,20.652 -1,20.652 -1,29.573 ccw(c-53.972,-310.732) -48.115,33.622 -48.115,28.392 cw(c-52.278,28.392) -56.44,28.392 -56.44,33.663 ccw(c-53.972,-310.732) -104.027,30.015 -104.894,29.874 ccw(c-104.278,26.063) -108.138,26.063
GND on Bottom Layer "Bottom-Layer-GND" (solid, pour order 22): -104.894,-29.874 cw(c-104.278,-26.063) -108.138,-26.063 -108.138,26.063 cw(c-104.278,26.063) -104.894,29.874 -104.027,30.015 cw(c-53.972,-310.732) -56.44,33.663 -56.44,28.392 ccw(c-52.278,28.392) -48.115,28.392 -48.115,33.622 cw(c-53.972,-310.732) -1,29.573 -1,-29.573 cw(c-53.972,310.732) -48.115,-33.622 -48.115,-28.392 ccw(c-52.278,-28.392) -56.44,-28.392 -56.44,-33.663 cw(c-53.972,310.732) -104.027,-30.015
VCC_5V on Bottom Layer "Bottom-Layer-VCC_5V" (solid, pour order 19): -77.698,-18.802 -71.229,-25.271 -55.033,-25.271 cw(c-52.278,-28.392) -48.115,-28.392 -48.115,-33.622 ccw(c-53.972,310.732) -1,-29.573 -1,8.3 -16.2,8.3 -16.2,6.5 -6.8,6.5 -5,4.7 -5,-25.5 -7.5,-28 -23,-28 -26,-25 -28.5,-25 -33.5,-30 -41.5,-30 -49.5,-22 -70.5,-22 -76.5,-16 -77.7,-16
GND_EARTH on Bottom Layer "Bottom-Layer-GND_EARTH" (solid, pour order 20): -108.138,-10.848 -99.877,-10.848 -99.875,-8.5 -99.875,-6.625 -102.65,-6.625 -102.65,2.725 -97.65,2.725 -97.652,27.5 -97.5,27.652 -92.652,27.652 -92.652,31.492 ccw(c-53.972,-310.732) -104.027,30.015 -104.894,29.874 ccw(c-104.278,26.063) -108.138,26.063
VCC_4.7 on Top Layer "Top-Layer-VCC_4.7" (solid, pour order 13): -16.4,0.3 -10.3,0.3 -10.3,4.4 -16.4,4.4
VCC_4.7 on Top Layer "Top-Layer-VCC_4.7" (solid, pour order 12): -82.6,-12.2 -73,-12.2 -73,-8.2 -82.6,-8.2
GND_EARTH on Top Layer "Top-Layer-GND_EARTH" (solid, pour order 17): -108.138,-10.848 -95.652,-10.848 -95.65,-8.5 -99.875,-8.5 -99.875,-6.625 -102.65,-6.625 -102.65,2.725 -97.65,2.725 -97.652,27.5 -97.5,27.652 -92.652,27.652 -92.652,31.492 ccw(c-53.972,-310.732) -104.027,30.015 -104.894,29.874 ccw(c-104.278,26.063) -108.138,26.063
GND on Top Layer "Top-Layer-GND" (solid, pour order 18): -48.115,33.622 cw(c-53.972,-310.732) -18.952,31.886 -18.952,21.7 -18.907,21.593 -14.807,17.493 -14.7,17.448 -10.3,17.45 -9.002,18.748 -1,18.748 -1,-29.573 cw(c-53.972,310.732) -48.115,-33.622 -48.115,-28.392 ccw(c-52.278,-28.392) -56.44,-28.392 -56.44,-33.663 cw(c-53.972,310.732) -104.027,-30.015 -104.894,-29.874 cw(c-104.278,-26.063) -108.138,-26.063 -108.138,26.063 cw(c-104.278,26.063) -104.894,29.874 -104.027,30.015 cw(c-53.972,-310.732) -56.44,33.663 -56.44,28.392 ccw(c-52.278,28.392) -48.115,28.392
VCC_3.3 on Top Layer "Top-Layer-VCC_3.3" (solid, pour order 15): -69.3,-7.8 -66.2,-7.8 -66.2,-5.3 -69.3,-5.3 -70.1,-4.5 -72.8,-4.5 -72.8,-6 -71.1,-6
VCC_1.5 on Top Layer "Top-Layer-VCC_1.5" (solid, pour order 14): -54.4,-10.6 -51.5,-10.6 -50.8,-9.9 -48.2,-9.9 -48.2,-8.2 -54.3,-8.2 -55.2,-7.3 -57.9,-7.3 -57.9,-8.8 -56.2,-8.8
VCC_5V on Top Layer "Top-Layer-VCC_5V" (solid, pour order 16): -95.2,-18.2 -92,-18.2 -91.5,-17.7 -86.9,-17.7 -85.9,-18.7 -75.7,-18.7 -75.7,-12.4 -84.2,-12.4 -87.3,-15.5 -92,-15.5 -92.7,-16.2 -95.2,-16.2

## Other copper
Top Layer:
  pour cut-out: -96.5,4.5 -69.8,4.5 -69.8,4.8 -96.5,4.8
Bottom Layer:
  pour cut-out: -96.5,4.5 -69.8,4.5 -69.8,4.8 -96.5,4.8

## Silkscreen, mask and mechanical layers (free items; w line width, h text height)
Top Overlay:
  lines w0.15: -37.975,-27.325 -37.975,-25.275 ; -37.975,-27.175 -36.85,-27.175 ; -37.975,-26.925 ccw(c-37.725,-26.925) -37.725,-27.175 ; -37.975,-26.725 cw(c-37.725,-26.725) -37.725,-26.475 cw(c-37.725,-26.225) -37.975,-26.225 ; -37.975,-26.475 -36.85,-26.475 ; -37.975,-26.167 cw(c-37.725,-26.167) -37.85,-25.95 cw(c-37.725,-25.733) -37.975,-25.733 ; -37.975,-25.675 cw(c-37.725,-25.675) -37.725,-25.425 ; -37.975,-25.425 -36.85,-25.425 ; -37.725,-26.825 -37.625,-26.825 ; -37.658,-26.475 cw(c-37.658,-26.725) -37.442,-26.6 cw(c-37.225,-26.725) -37.225,-26.475 ; -37.65,-26.125 -36.85,-26.125 ; -37.65,-25.775 -36.85,-25.775 ; -37.25,-26.825 -37.1,-26.825 ; -37.1,-26.475 cw(c-37.1,-26.725) -36.85,-26.725 ; -36.85,-27.325 -36.85,-25.275 ; -38.125,-27.325 -38.125,-25.275 -36.7,-25.275 -36.7,-27.325 -38.125,-27.325
  lines w0.2: -77.25,-5.575 -72.85,-5.575 ; -66.7,-5.497 -66.7,-3.218 ; -66.7,2.327 -66.7,4.607 ; -66.5,-5.497 -66.5,-3.218 ; -66.5,-0.544 -66.5,-0.346 ; -66.5,2.327 -66.5,4.607 ; -66.3,-5.497 -66.3,-3.218 ; -66.3,-0.66 -66.3,-0.23 ; -66.3,2.327 -66.3,4.607 ; -66.1,-5.497 -66.1,-3.218 ; -66.1,-1.375 -66.1,-1.294 ; -66.1,-0.777 -66.1,-0.113 ; -66.1,0.403 -66.1,0.485 ; -66.1,2.327 -66.1,4.607 ; -65.9,-5.497 -65.9,-3.218 ; -65.9,-1.322 -65.9,0.432 ; -65.9,2.327 -65.9,4.607 ; -65.7,-5.497 -65.7,-3.218 ; -65.7,-1.268 -65.7,0.378 ; -65.7,2.327 -65.7,4.607 ; -65.5,-5.497 -65.5,-3.218 ; -65.5,-1.215 -65.5,0.325 ; -65.5,2.327 -65.5,4.607 ; -65.3,-5.497 -65.3,-3.218 ; -65.3,-1.852 -65.3,-1.645 ; -65.3,-1.162 -65.3,0.271 ; -65.3,0.755 -65.3,0.962 ; -65.3,2.327 -65.3,4.607 ; -65.1,-5.497 -65.1,-3.218 ; -65.1,-2.556 -65.1,-1.441 ; -65.1,-1.108 -65.1,0.218 ; -65.1,0.551 -65.1,1.666 ; -65.1,2.327 -65.1,4.607 ; -64.9,-5.497 -64.9,-3.218 ; -64.9,-2.478 -64.9,-1.238 ; -64.9,-1.055 -64.9,0.165 ; -64.9,0.347 -64.9,1.588 ; -64.9,2.327 -64.9,4.607 ; -64.7,-5.497 -64.7,-3.218 ; -64.7,-2.4 -64.7,1.51 ; -64.7,2.327 -64.7,4.607 ; -64.5,-5.497 -64.5,-3.218 ; -64.5,-2.322 -64.5,1.432 ; -64.5,2.327 -64.5,4.607 ; -64.3,-5.497 -64.3,-3.218 ; -64.3,-2.59 -64.3,1.7 ; -64.3,2.327 -64.3,4.607 ; -64.1,-5.497 -64.1,-3.218 ; -64.1,-2.313 -64.1,1.423 ; -64.1,2.327 -64.1,4.607 -63.9,4.607 -63.9,2.327 ; -63.9,-5.497 -63.9,-3.218 ; -63.9,-2.035 -63.9,1.145 ; -63.7,-5.497 -63.7,-3.218 ; -63.7,-1.758 -63.7,0.868 ; -63.7,2.327 -63.7,4.607 ; -63.5,-5.497 -63.5,-3.218 ; -63.5,-1.481 -63.5,0.591 ; -63.5,2.327 -63.5,4.607 ; -63.3,-5.497 -63.3,-3.218 ; -63.3,-1.596 -63.3,0.706 ; -63.3,2.327 -63.3,4.607 ; -63.1,-5.497 -63.1,-3.218 ; -63.1,-0.658 -63.1,-0.232 ; -63.1,2.327 -63.1,4.607 ; -62.9,-5.497 -62.9,-3.218 ; -62.9,-0.658 -62.9,-0.232 ; -62.9,2.327 -62.9,4.607 ; -62.7,-5.497 -62.7,-3.218 ; -62.7,-0.658 -62.7,-0.232 ; -62.7,2.327 -62.7,4.607 ; -62.5,-5.497 -62.5,-3.218 ; -62.5,-0.658 -62.5,-0.232 ; -62.5,2.327 -62.5,4.607 ; -62.3,-5.497 -62.3,-3.218 ; -62.3,2.327 -62.3,4.607 ; -53.7,-19.1 -52.2,-20.6 ; -66.904,-5.497 -62.096,-5.497 -62.096,-3.218 -66.904,-3.218 -66.904,-5.497 ; -66.904,2.327 -62.096,2.327 -62.096,4.607 -66.904,4.607 -66.904,2.327 ; -66.669,-0.445 -65.877,0.017 -66.156,0.5 -64.657,0.1 -65.41,0.867 -65.125,1.113 -65.273,1.734 -64.453,1.413 -64.326,1.736 -63.496,0.586 -63.129,0.811 -63.214,-0.232 -62.31,-0.232 -62.31,-0.658 -63.214,-0.658 -63.129,-1.701 -63.496,-1.476 -64.326,-2.627 -64.453,-2.303 -65.273,-2.624 -65.125,-2.003 -65.41,-1.757 -64.657,-0.99 -66.156,-1.39 -65.877,-0.907 -66.669,-0.445
  text "UART" at -56.025,33.75 h1.6 r180
  text "JTAG" at -39.65,33.7 h1.6 r180
  text "USB" at -45.575,33.675 h1.6 r180
  text "YARD-ICE 1.0" at -27.575,-6.3 h3 r90
  text "bobmittmann@gmail.com" at -25.6,-6.9 h1.6 r90
  text "Jan 2013" at -19.8,-13.05 h1.6 r90
  text "+" at -43.4,-29.1 h4 r90
  text "-" at -43.4,-30 h4 r180
  text "5V" at -47.8,-33.8 h1.6
PCB Boundary:
  circle w0.1: c-27.278,-28.25 r1.6
  circle w0.1: c-77.278,-28.25 r1.6
  circle w0.1: c-77.278,28.25 r1.6
  circle w0.1: c-27.278,28.25 r1.6
  lines w0.1: -109.138,-26.063 ccw(c-104.278,-26.063) -105.054,-30.861 -104.179,-31.003 ccw(c-53.972,310.732) -55.44,-34.668 -55.44,-28.392 cw(c-52.278,-28.392) -49.115,-28.392 -49.115,-34.637 ccw(c-53.972,310.732) 0,-30.429 0,30.429 ccw(c-53.972,-310.732) -49.115,34.637 -49.115,28.392 cw(c-52.278,28.392) -55.44,28.392 -55.44,34.668 ccw(c-53.972,-310.732) -104.179,31.003 -105.054,30.861 ccw(c-104.278,26.063) -109.138,26.063 -109.138,-26.063
Mechanical 5:
  lines w0.1: -108.138,-26.063 ccw(c-104.278,-26.063) -104.894,-29.874 -104.027,-30.015 ccw(c-53.972,310.732) -56.44,-33.663 -56.44,-28.392 cw(c-52.278,-28.392) -48.115,-28.392 -48.115,-33.622 ccw(c-53.972,310.732) -1,-29.573 -1,29.573 ccw(c-53.972,-310.732) -48.115,33.622 -48.115,28.392 cw(c-52.278,28.392) -56.44,28.392 -56.44,33.663 ccw(c-53.972,-310.732) -104.027,30.015 -104.894,29.874 ccw(c-104.278,26.063) -108.138,26.063 -108.138,-26.063
Design Information:
  drawing of 210 lines, arcs and shapes, not listed
  text "FABRICATION INFORMATION" at 15.025,-14.5 h1.75
  text "BOARD SIZE:" at 15.025,-17.5 h1.25
  text "109.14mm X 69.72mm" at 56.025,-17.5 h1.25
  text "CONDUCTOR SPACING (MIN):" at 15.025,-20.5 h1.25
  text "0.2mm (8 mils)" at 56.025,-20.5 h1.25
  text "CONDUCTOR WIDTH (MIN):" at 15.025,-23.5 h1.25
  text "0.15mm (6 mils)" at 56.025,-23.5 h1.25
  text "BASE MATERIAL:" at 15.025,-26.5 h1.25
  text "FR4" at 56.025,-26.5 h1.25
  text "BOARD THICKNESS:" at 15.025,-29.5 h1.25
  text "1.6mm" at 56.025,-29.5 h1.25
  text "COOPER LAYERS:" at 15.025,-32.5 h1.25
  text "2" at 56.025,-32.5 h1.25
  text "COPPER THICKNESS (FINISHED):" at 15.025,-35.5 h1.25
  text "35um" at 56.025,-35.5 h1.25
  text "LEGEND MARKING COLOUR:" at 15.025,-38.5 h1.25
  text "WHITE" at 56.025,-38.5 h1.25
  text "SOLDER MASK COLOUR:" at 15.025,-41.5 h1.25
  text "GREEN" at 56.025,-41.5 h1.25
  text "SURFACE FINISH:" at 15.025,-44.5 h1.25
  text "HOT AIR SOLDER LEVEL" at 56.025,-44.5 h1.25
  text "ELECTRICAL TEST:" at 15.025,-47.5 h1.25
  text "REQUIRED" at 56.025,-47.5 h1.25
  text "SURFACE MOUNT:" at 15.025,-50.5 h1.25
  text "TOP" at 56.025,-50.5 h1.25
  text "DWN:" at 14.525,-54 h1
  text "MITTMANN" at 31.025,-54.5 h1.1
  text ".PRINT_DATE" at 29.025,-56.5 h1.1
  text "Bob Mittmann" at 41.025,-56.5 h4
  text "LAYER STACK-UP DETAIL" at -106.647,-57.71 h1.75
  text "CHK:" at 14.525,-59 h1
  text "--" at 31.025,-59.5 h1.1
  text "TITLE:" at 39.525,-60 h1
  text "--" at 29.025,-61.5 h1.1
  text "YARD-ICE" at 41.025,-62.5 h1.5
  text "APVD:" at 14.525,-64 h1
  text "WHITE COLOR SILKSCREEN" at -56.725,-64.5 h1.2
  text "--" at 31.025,-64.5 h1.1
  text "GREEN COLOR SOLDERMASK" at -56.725,-66.5 h1.2
  text "--" at 29.025,-66.5 h1.1
  text "0.035mm+/-0.01mm LAYER #1: TOP (COMPONENT SIDE)" at -56.725,-68.5 h1.2
  text "DWG NO:" at 39.525,-69 h1
  text "REV:" at 75.525,-69 h1
  text "1.6mm+/-10%" at -105.675,-70.5 h1.2
  text "1.53mm+/-0.15mm LAMINATE CORE" at -56.725,-70.5 h1.2
  text "yard-ice" at 41.025,-71.5 h1.5
  text "1.0" at 77.025,-71.5 h1.5
  text "0.035mm+/-0.01mm LAYER #2: BOTTOM" at -56.725,-72.5 h1.2
  text "PART NO:" at 39.525,-74 h1
  text "SCALE:" at 74.525,-74 h1
  text "GREEN COLOR SOLDERMASK" at -56.725,-74.5 h1.2
  text "00000" at 41.025,-76.5 h1.5
  text "1:1" at 77.525,-76.5 h1.5
  text "FILE:" at 14.525,-79.5 h1
  text ".PCB_FILE_NAME_NO_PATH" at 20.025,-79.5 h1.25
  text "RCS REV:" at 66.525,-79.5 h1
  text ".VersionControl_RevNumber" at 75.025,-79.5 h1.25
Assembly Top:
  text ".Layer_Name" at 8.8,-8.675 h0.8 r90
Drill Drawing:
  text ".Legend" at 14.6,-8 h1.25

## Dimensions
0,-30.429 to -109.138,-26.063 on Dimensions
-49.115,34.637 to -49.115,-34.637 on Dimensions

## Text inside footprints (layer, text, board x,y; h text height)
CN5: Top Overlay "8" at -3.6,25.4 h1 r90; Top Overlay "1" at -3.6,8.1 h1 r90